# KiCad board kup-lulz.kicad_pcb (continued)
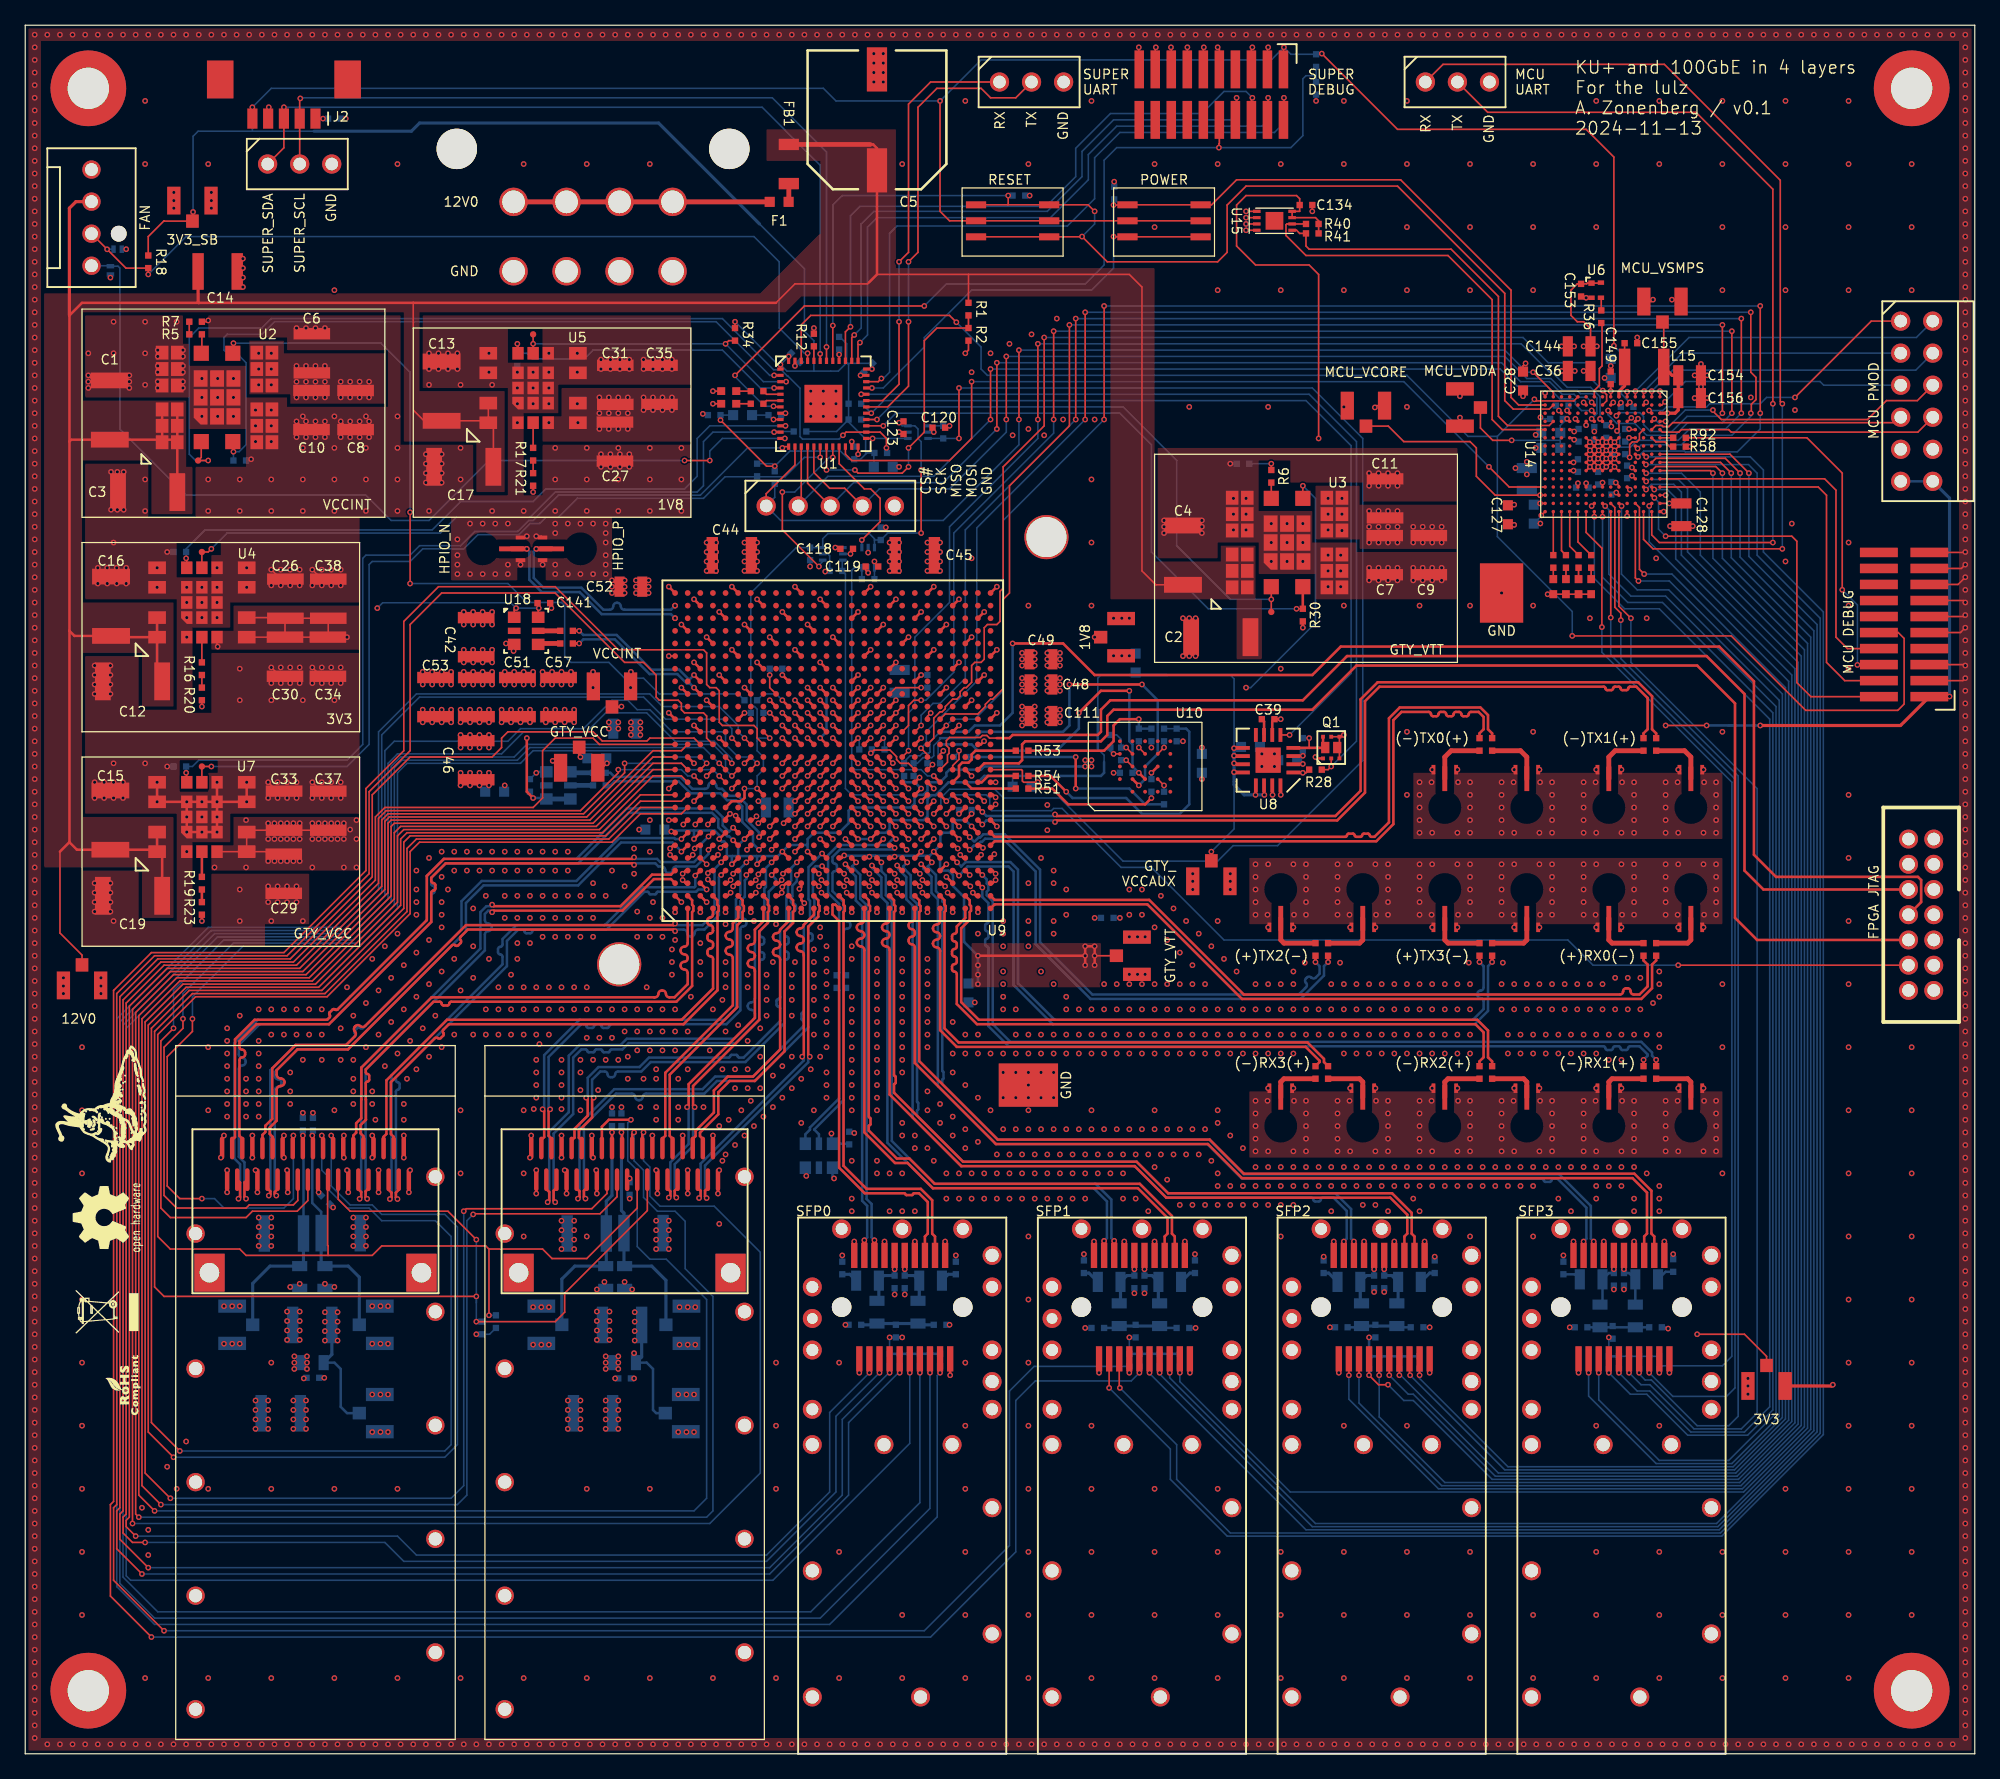
[diagram p0: board, top side]
## Routing (per net, layer and track width the routed paths; a pad name or vN(x,y) marks a point on that pad's centre or on a via; arc(x,y) is an arc through that point) (continued)
132.96,9.5 ; v1(17.55,94) v1(15.2,94) v1(15.2,92.45) ; J8.1 62.38,39.28 J8.1 J8.1 ; v1(37,85.75) v1(37,87.5) v1(34.75,87.5) v1(34.75,86.5) v1(37,86.5) ; 65,73.5 62.75,73.5 ; v1(22.75,84.85) v1(23.5,84.85) ; v1(23.5,84.85) v1(25,84.85) ; v1(23.5,84.85) 23.5,84.75 ; v1(20.75,35.05) v1(21.75,35.05) v1(21.75,32.8) ; v1(20.75,35.05) v1(20.75,32.8) ; v1(20.75,35.05) 20.32,35.47 v1(17,35.47) v1(17,32.5) ; J34.1 93,29.5 v1(92.3,30.2) 92.75,30.65 v1(92.75,33.75) ; v1(22.8,50.8) v1(22,50.8) 21.1,50.8 20.5,50.2 v1(20.5,49) 19.92,49 ; v1(114.5,73) v1(117,73) ; v1(114.5,73) v1(114.5,77) v1(113.55,77) 113.55,77.95 v1(113.5,78) ; 62.75,73.5 v1(63,73.5) U9.N8 63.5,75 v1(64,75.5) v1(61,78.5) v1(60,77.5) 59.5,77 57,77 ; J10.1 J10.1 ; J10.1 131,29.5 v1(130.3,30.2) 130.2,30.3 v1(130.2,33.7) ; J10.1 136.28,29.5 ; J8.1 58.84,8.03 J36.1 J36.1 57.72,35.75 57.72,45.01 J36.1 ; v1(121,73) v1(117,73) ; 57.5,87 v1(58,86.5) ; 57.5,87 U9.A21 v1(51,87) 48.5,87 48,86.5 v1(48,85.75) ; v1(53.5,66.7) 53.5,67.85 53.35,67.85 53.2,68 52.15,68 52.1,68.05 v1(52.1,69.25) v1(52.1,69.75) ; v1(6.25,75.75) v1(7.75,75.75) ; v1(6.25,75.75) 6.25,75.65 ; v1(6.25,75.75) v1(5.5,75.75) ; v1(34.5,77.75) v1(40.5,77.75) ; v1(40.5,77.75) 41,77.75 ; v1(25.75,105.6) v1(27.25,105.6) ; v1(25.75,105.6) v1(25,105.6) ; v1(25.75,105.6) 25.75,105.5 ; v1(62,89.5) U9.M23 ; 32.5,49 v1(30,49) ; 32.5,49 v1(40.1,49) ; 57,77 55.25,77 ; v1(49.75,110.5) 49.75,110.4 ; v1(49.75,110.5) v1(51.25,110.5) ; v1(49.75,110.5) v1(49,110.5) ; v1(46.38,102) 46.38,101.9 ; v1(46.38,102) v1(47.88,102) ; J10.1 133.55,24.5 133.62,24.57 J10.1 ; v1(66,76.5) v1(68,78.5) v1(70,76.5) ; v1(61,71.5) 60.05,70.55 v1(60.05,69.75) 59.95,69.65 v1(59.95,68.25) 59.5,67.8 v1(59.5,66.7) ; v1(117,73) v1(117,77) v1(117.95,77) 118,77.05 v1(118,78) ; v1(19.5,93.85) v1(20.25,93.85) ; v1(20.25,93.85) v1(21.75,93.85) ; v1(20.25,93.85) 20.25,93.75 ; v1(16,44.5) v1(18.4,44.5) ; v1(108,47.75) v1(108,51.75) 107,51.75 v1(107,52.75) ; v1(108,47.75) v1(110.5,47.75) ; v1(6.5,94) v1(8,94) v1(10.45,94) ; v1(6.5,94) 6.5,93.9 ; v1(6.5,94) v1(5.75,94) ; v1(56,87.5) U9.F21 ; v1(20,68.75) v1(21.5,68.75) ; v1(20,68.75) v1(19.25,68.75) ; v1(20,68.75) v1(20,67.5) ; v1(123.7,100.7) 124.14,100.26 v1(124.14,98.89) 123.7,98.45 U14.R15 v1(120.15,98.15) 120.07,98.07 v1(120.07,97.51) ; v1(121,47.75) v1(123.5,47.75) ; v1(48,85.75) v1(45,85.75) 40.35,85.75 v1(38.7,87.4) 38.7,88 ; v1(76,85.5) U9.AE19 U9.E19 v1(55,85.5) 55,84.5 v1(57,82.5) 58,82.5 v1(59,83.5) v1(62,80.5) v1(64,82.5) v1(63,83.5) v1(60,80.5) ; v1(63,91.5) U9.N25 ; v1(62,75.5) v1(64,77.5) ; v1(43.75,111) v1(41.5,111) v1(41.5,107) v1(39,107) ; 83.3,32 84,32.7 v1(84,33.75) ; 83.3,32 J34.1 ; 83.3,32 v1(85.1,30.2) ; U9.L26 v1(61,92.5) 61,92.9 v1(62.2,94.1) ; v1(93.25,96.75) v1(93.25,97.75) ; v1(136.53,29.75) v1(136.53,28.5) ; v1(106.5,94) v1(108.75,94) v1(110,94) v1(112.25,94) ; v1(45.3,35.05) v1(46.3,35.05) ; v1(45.3,35.05) v1(45.3,32.8) ; v1(66,85.5) U9.R19 67.5,85 v1(68,84.5) v1(68,83.5) ; v1(130,47.75) v1(127.5,47.75) ; v1(127.5,47.75) v1(123.5,47.75) ; 72.5,76.33 72.5,76 v1(72,75.5) ; v1(57.9,68.25) 57.5,67.85 v1(57.5,66.7) ; TP13.2 v1(11.77,123.1) ; J10.1 134.68,38.05 151.27,38.05 152.5,39.28 152.5,61.25 J6.3 J6.11 152.75,72 152.75,81.5 153,81.75 153,99.5 ; v1(74.5,111) 72,111 ; 72,111 v1(72,104.75) v1(69.25,104.75) v1(69.25,102) ; 55.25,77 55.5,77 v1(56,76.5) ; v1(46.3,35.05) v1(46.3,32.8) ; v1(55.5,66.7) 55.5,67.4 ; 55.5,67.4 55.4,67.5 v1(54,67.5) ; v1(36.75,77.75) v1(36.75,76.75) v1(34.5,76.75) ; v1(15.2,92.45) v1(17.55,92.45) ; v1(68,83.5) v1(69,82.5) ; 86.9,89.97 v1(86.9,87.03) ; 40.9,35.38 v1(40.9,32.43) ; v1(87.5,61.78) v1(87.5,61) v1(79.5,53) ; J12.1 112,29.5 v1(111.3,30.2) v1(111.3,33.8) ; v1(67,75.5) v1(69,77.5) ; v1(14,107.5) v1(16.5,107.5) ; v1(20,67.5) v1(21.5,67.5) ; v1(20,67.5) 20,67.4 ; v1(126.7,36.8) v1(125.9,36.8) 125.1,37.6 v1(125.1,40.6) 125.5,40.6 J10.1 v1(127.5,40.6) ; v1(72.5,93.75) v1(72.5,96) ; v1(110.5,47.75) v1(114.5,47.75) ; v1(68,72.5) v1(68,73.5) ; v1(72,72.5) v1(72,73.5) ; v1(8,119.25) 8,118.25 v1(6.75,117) 7,116.75 v1(7,113.5) ; v1(100,97.5) v1(100,94.5) ; v1(57,89.5) U9.G23 ; v1(67,87.5) U9.T21 ; J34.1 92.3,40.6 v1(91.9,40.6) 92.7,39.8 v1(92.7,39.6) ; J34.1 95.4,39.5 ; 136.55,29.15 139.5,29.15 ; v1(106.5,101.5) v1(108.75,101.5)
  In1.Cu w0.2: v1(103.25,92.5) 101.25,90.5 v1(101.25,89.25) ; 51.3,109.05 J1.8 ; J1.8 J1.5 ; J1.8 64.75,117.5 ; v1(40.5,44.4) v1(42.9,44.4) 42.98,44.47 45.22,44.47 v1(45.3,44.4) 45.7,44.8 49.7,44.8 v1(50.1,44.4) 50.3,44.6 52.3,44.6 v1(52.5,44.4) 52.7,44.6 54.7,44.6 v1(54.9,44.4) 57,46.5 57,48 56,49 v1(54.5,49) v1(52.1,49) v1(49.7,49) 49.7,48.4 49.1,47.8 45.5,47.8 44.9,48.4 v1(44.9,49) ; v1(136.53,29.75) 136.28,29.5 ; 52.1,68.05 52,67.95 v1(52,67.5) 52,67.2 v1(51.5,66.7) ; 24.5,48.4 24.65,48.4 v1(25.25,49) ; 24.5,48.4 27.5,48.4 ; 24.5,48.4 21.1,48.4 v1(20.5,49) ; v1(18,49) 19.92,49 ; v1(44.9,49) 44.9,49.65 v1(46.5,51.25) v1(47.25,51.25) ; v1(44.9,49) v1(42.5,49) v1(40.1,49) ; v1(65.7,49.2) 64.7,49.2 61.9,46.4 v1(61.9,45.8) 61.9,44.4 ; 27.5,48.4 29.4,48.4 v1(30,49) ; 27.5,48.4 v1(27.5,49) ; v1(14,66) 12.75,67.25 12.75,70.75 ; v1(54.1,69.3) 54.1,69.6 ; 51.3,93.7 51.3,104.55 ; 153,99.5 153,101.56 J38.11 ; v1(54,67.5) 53.5,67.5
  In1.Cu w0.25: v1(53,25.5) v1(51.75,25.5) ; J36.1 53.47,35.03 v1(53.1,35.4) v1(51.85,35.4) ; v1(28.75,32.5) v1(27.5,32.5) ; v1(53.1,32.43) v1(51.85,32.43) ; v1(27.5,28.47) v1(28.75,28.47) ; v1(27.5,35.47) v1(28.75,35.47) ; v1(17,32.5) v1(15.75,32.5) ; v1(28.75,25.5) v1(27.5,25.5) ; v1(51.75,28.47) v1(53,28.47) ; v1(15.75,35.47) v1(17,35.47)
  Bottom w0.125: 119.86,104.7 v1(119.7,104.54) ; v1(65.5,104) 65.7,103.8 C18.2 ; C22.2 v1(102.3,131) ; R3.1 v1(79.6,123.5) ; R78.1 v1(64.75,39.5) ; D3.1 v1(8,119.25) ; C121.2 v1(62.2,94.1) ; R32.2 v1(11.25,78.25) ; v1(53.7,106.2) 53.8,106.1 C20.2 ; C59.2 v1(93.25,77.25) ; C21.2 v1(69.25,102) ; U13.5 v1(69.25,104.75) ; v1(120.07,97.51) 120.06,97.5 C32.2 120.15,98.1 v1(120.15,98.15) ; C92.2 v1(47.9,44) ; R97.1 v1(71,85.5) ; v1(17.9,102.6) 17.8,102.5 R27.2 ; C89.2 v1(24.4,43.3) ; R95.1 v1(57,82.5) ; D4.1 v1(6.75,117) ; R39.2 v1(25.4,129.6) ; C133.2 120.21,105.8 v1(120.09,105.92) ; 58.6,75 v1(58.1,75.5) ; C122.2 v1(68.2,97.2) ; C72.2 v1(87.9,36.5) ; U11.2 v1(65.4,95.1) ; C124.2 v1(119,101.4) ; C124.2 v1(119,102.4) ; C124.2 v1(118.1,101.9) ; R35.2 v1(39,109.5) ; C90.2 v1(22.8,50.8) ; C131.2 v1(125.3,103.95) ; R25.2 v1(11.25,95.25) ; U12.2 v1(66.8,93.6) ; U13.2 v1(72,104.75) ; R8.1 v1(95.5,102.25) ; C91.2 v1(22,50.8) ; C81.2 v1(23.7,29.8) ; v1(66,80.5) 66.1,80.4 J5.3 ; C82.2 v1(48.25,29.75) ; R77.1 v1(73.75,39.5) ; R4.1 v1(86.3,124.6) ; 61.3,110.3 v1(61,110) ; C71.2 v1(88.7,36.5) ; C136.2 v1(40.5,77.75) ; R96.1 v1(60,85.5)
  Bottom w0.2: U17.3 40.58,77.83 v1(40.5,77.75) ; C61.2 v1(103.4,33.8) ; C112.2 v1(122.4,33.8) ; R85.1 v1(130.6,39.6) ; C94.2 v1(46.5,51.25) ; C67.2 v1(84,33.75) ; 121.9,39.1 v1(121.9,39.5) ; C68.2 v1(92.75,33.75) ; C62.2 v1(111.3,33.8) ; v1(65.7,49.2) 65.6,49.3 C135.2 ; C93.2 v1(47.25,51.25) ; C158.2 v1(75.25,59.55) ; C113.2 130.1,33.8 v1(130.2,33.7) ; v1(61.9,45.8) 61.9,46.38
  Bottom w0.25: C65.2 v1(107.7,36.6) ; C117.2 v1(125.9,36.8) ; R63.1 v1(111.7,39.4) ; C77.2 v1(69.7,36.4) ; C73.2 v1(65,34) ; C116.2 v1(126.7,36.8) ; R64.1 v1(102.9,39.4) ; C74.2 v1(73.25,34) ; C78.2 v1(68.9,36.4) ; R70.1 v1(92.7,39.6) ; C66.2 v1(106.9,36.6) ; R71.1 v1(83.9,39.6)
  vias: v1(0.75,136.25) v1(0.75,135.25) v1(0.75,134.25) v1(0.75,133.25) v1(0.75,132.25) v1(0.75,131.25) v1(0.75,130.25) v1(0.75,129.25) v1(0.75,128.25) v1(0.75,127.25) v1(0.75,126.25) v1(0.75,125.25) v1(0.75,124.25) v1(0.75,123.25) v1(0.75,122.25) v1(0.75,121.25) v1(0.75,120.25) v1(0.75,119.25) v1(0.75,118.25) v1(0.75,117.25) v1(0.75,116.25) v1(0.75,115.25) v1(0.75,114.25) v1(0.75,113.25) v1(0.75,112.25) v1(0.75,111.25) v1(0.75,110.25) v1(0.75,109.25) v1(0.75,108.25) v1(0.75,107.25) v1(0.75,106.25) v1(0.75,105.25) v1(0.75,104.25) v1(0.75,103.25) v1(0.75,102.25) v1(0.75,101.25) v1(0.75,100.25) v1(0.75,99.25) v1(0.75,98.25) v1(0.75,97.25) v1(0.75,96.25) v1(0.75,95.25) v1(0.75,94.25) v1(0.75,93.25) v1(0.75,92.25) v1(0.75,91.25) v1(0.75,90.25) v1(0.75,89.25) v1(0.75,88.25) v1(0.75,87.25) v1(0.75,86.25) v1(0.75,85.25) v1(0.75,84.25) v1(0.75,83.25) v1(0.75,82.25) v1(0.75,81.25) v1(0.75,80.25) v1(0.75,79.25) v1(0.75,78.25) v1(0.75,77.25) v1(0.75,76.25) v1(0.75,75.25) v1(0.75,74.25) v1(0.75,73.25) v1(0.75,72.25) v1(0.75,71.25) v1(0.75,70.25) v1(0.75,69.25) v1(0.75,68.25) v1(0.75,67.25) v1(0.75,66.25) v1(0.75,65.25) v1(0.75,64.25) v1(0.75,63.25) v1(0.75,62.25) v1(0.75,61.25) v1(0.75,60.25) v1(0.75,59.25) v1(0.75,58.25) v1(0.75,57.25) v1(0.75,56.25) v1(0.75,55.25) v1(0.75,54.25) v1(0.75,53.25) v1(0.75,52.25) v1(0.75,51.25) v1(0.75,50.25) v1(0.75,49.25) v1(0.75,48.25) v1(0.75,47.25) v1(0.75,46.25) v1(0.75,45.25) v1(0.75,44.25) v1(0.75,43.25) v1(0.75,42.25) v1(0.75,41.25) v1(0.75,40.25) v1(0.75,39.25) v1(0.75,38.25) v1(0.75,37.25) v1(0.75,36.25) v1(0.75,35.25) v1(0.75,34.25) v1(0.75,33.25) v1(0.75,32.25) v1(0.75,31.25) v1(0.75,30.25) v1(0.75,29.25) v1(0.75,28.25) v1(0.75,27.25) v1(0.75,26.25) v1(0.75,25.25) v1(0.75,24.25) v1(0.75,23.25) v1(0.75,22.25) v1(0.75,21.25) v1(0.75,20.25) v1(0.75,19.25) v1(0.75,18.25) v1(0.75,17.25) v1(0.75,16.25) v1(0.75,15.25) v1(0.75,14.25) v1(0.75,13.25) v1(0.75,12.25) v1(0.75,11.25) v1(0.75,10.25) v1(0.75,9.25) v1(0.75,8.25) v1(0.75,7.25) v1(0.75,6.25) v1(0.75,5.25) v1(0.75,4.25) v1(0.75,3.25) v1(0.75,2.25) v1(0.75,1.25) v1(1.75,136.25) v1(1.75,0.75) v1(2.75,136.25) v1(2.75,0.75) v1(3.02,60.85) v1(3.02,60.25) v1(3.75,136.25) v1(3.75,0.75) v1(4.5,56) v1(4.5,51) v1(4.5,46) v1(4.5,41) v1(4.5,36) v1(4.5,31) v1(4.5,26) v1(4.5,21) v1(4.5,16) v1(4.5,11) v1(4.75,136.25) v1(4.75,0.75) v1(5,111) v1(5,108.25) v1(5.5,84.75) v1(5.5,67.5) v1(5.75,136.25) v1(5.75,0.75) v1(6,61.5) v1(6,60.85) v1(6,60.25) v1(6.75,136.25) v1(6.75,84.75) v1(6.75,67.5) v1(6.75,0.75) v1(6.8,101.6) v1(6.8,98.6) v1(7,111) v1(7,96) v1(7,78.5) v1(7,77) v1(7,75.75) v1(7,66) v1(7.25,92.75) v1(7.3,101.6) v1(7.3,98.6) v1(7.25,94) v1(7.75,136.25) v1(7.75,0.75) v1(8.25,109.25) v1(8.25,108.25) v1(8.75,136.25) v1(8.75,0.75) v1(9.25,19.5) v1(9.5,131) v1(9.5,126) v1(9.5,113.5) v1(9.5,111) v1(9.5,108.5) v1(9.5,101) v1(9.5,98.5) v1(9.5,78.5) v1(9.5,6) v1(9.75,136.25) v1(9.75,17.75) v1(9.75,15.75) v1(9.75,0.75) v1(10.5,110.75) v1(10.5,110) v1(10.5,109.5) v1(10.75,136.25) v1(10.75,0.75) v1(11.25,22.75) v1(11.75,136.25) v1(11.75,0.75) v1(11.77,122.5) v1(12,113.5) v1(12,21) v1(12.5,110.75) v1(12.5,110) v1(12.5,109.5) v1(12.75,24.75) v1(12.75,136.25) v1(12.75,0.75) v1(13.75,136.25) v1(13.75,0.75) v1(14.5,126) v1(14.5,101) v1(14.5,98.5) v1(14.5,56) v1(14.5,51) v1(14.5,21) v1(14.5,6) v1(14.75,136.25) v1(14.75,123.1) v1(14.75,0.75) v1(15.25,109) v1(15.25,107.5) v1(15.25,106) v1(15.5,47.25) v1(15.75,136.25) v1(15.75,0.75) v1(16,57.5) v1(16,56.5) v1(16,55.5) v1(16,54.5) v1(16,53.5) v1(16,52.5) v1(16,51.5) v1(16,50.5) v1(16,46.25) v1(16.4,35.47) v1(16.4,32.5) v1(16.75,136.25) v1(16.75,0.75) v1(17,101) v1(17,98.5) v1(17,86) v1(17,83.5) v1(17,68.5) v1(17,66) v1(17,58.5) v1(17.25,117.75) v1(17.25,117) v1(17.5,53.5) v1(17.5,52.5) v1(17.5,51.5) v1(17.5,50.5) v1(17.75,136.25) v1(17.75,0.75) v1(18,47.25) v1(18.25,27.25) v1(18.25,105.25) v1(18.25,46.25) v1(18.5,59) v1(18.5,56.5) v1(18.5,55.5) v1(18.5,54.5) v1(18.5,53.5) v1(18.5,52.5) v1(18.5,51.5) v1(18.5,50.5) v1(18.5,41.75) v1(18.75,136.25) v1(18.75,0.75) v1(19.25,27.25) v1(19.5,105.25) v1(19.5,101) v1(19.5,98.5) v1(19.5,83.5) v1(19.5,66) v1(19.5,59) v1(19.5,57) v1(19.5,41.75) v1(19.5,31) v1(19.5,21) v1(19.5,6) v1(19.75,136.25) v1(19.75,0.75) v1(20.5,59) v1(20.5,57) v1(20.5,47.25) v1(20.75,136.25) v1(20.75,77) v1(20.75,75.75) v1(20.75,68.75) v1(20.75,67.5) v1(20.75,46.25) v1(20.75,34.3) v1(20.75,33.55) v1(20.75,0.75) v1(21,93.85) v1(21,92.6) v1(21,86.1) v1(21,84.85) v1(21,54) v1(21,52.5) v1(21,51.5) v1(21.5,59) v1(21.5,57) v1(21.75,34.3) v1(21.75,33.55) v1(21.75,136.25) v1(21.75,0.75) v1(22,106) v1(22,103.5) v1(22,101) v1(22,98.5) v1(22,83.5) v1(22,66) v1(22,55) v1(22.25,113) v1(22.5,59) v1(22.5,57) v1(22.75,136.25) v1(22.75,0.75) v1(23,113) v1(23,105.6) v1(23,104.35) v1(23.5,59) v1(23.5,57) v1(23.5,55) v1(23.75,136.25) v1(23.75,0.75) v1(24.25,92.6) v1(24.25,84.85) v1(24.25,75.75) v1(24.25,93.85) v1(24.25,86.1) v1(24.25,77) v1(24.5,116) v1(24.5,106) v1(24.5,103.5) v1(24.5,101) v1(24.5,98.5) v1(24.5,83.5) v1(24.5,51) v1(24.5,21) v1(24.5,6) v1(24.75,136.25) v1(24.75,0.75) v1(25,57.5) v1(25,55) v1(25.25,47.25) v1(25.5,60.75) v1(25.5,46.25) v1(25.75,136.25) v1(25.75,0.75) v1(26,58.5) v1(26,55) v1(26,53.5) v1(26,52.5) v1(26,51.5) v1(26,41.75) v1(26,41) v1(26.5,105.6) v1(26.5,104.35) v1(26.75,136.25) v1(26.75,0.75) v1(27,106) v1(27,103.5) v1(27,101) v1(27,98.5) v1(27,59.5) v1(27,56) v1(27,41.75) v1(27,41) v1(27.5,63) v1(27.5,52.5) v1(27.5,51.5) v1(27.5,47.25) v1(27.75,136.25) v1(27.75,50.25) v1(27.75,0.75) v1(28,60.5) v1(28,57) v1(28,46.25) v1(28.15,35.47) v1(28.15,32.5) v1(28.15,28.47) v1(28.15,25.5) v1(28.5,64) v1(28.5,54.5) v1(28.75,136.25) v1(28.75,0.75) v1(29,61.5) v1(29,58) v1(29.5,126) v1(29.5,106) v1(29.5,103.5) v1(29.5,101) v1(29.5,98.5) v1(29.5,65) v1(29.5,55.5) v1(29.5,21) v1(29.5,6) v1(29.75,136.25) v1(29.75,0.75) v1(30,62.5) v1(30,59) v1(30,51.5) v1(30,50.25) v1(30,47.25) v1(30.25,53.5) v1(30.5,56.5) v1(30.5,46.25) v1(30.75,136.25) v1(30.75,0.75) v1(31,70) v1(31,68.5) v1(31,67.5) v1(31,66.5) v1(31,63.5) v1(31,60) v1(31,54.25) v1(31.5,57.5) v1(31.75,136.25) v1(31.75,0.75) v1(31.75,102.25) v1(31.75,101.5) v1(32,108.5) v1(32,98.5) v1(32,71) v1(32,64.5) v1(32,61) v1(32,55.25) v1(32.25,85.75) v1(32.25,84.75) v1(32.5,58.5) v1(32.75,136.25) v1(32.75,111) v1(32.75,109.75) v1(32.75,0.75) v1(33,102.25) v1(33,101.5) v1(33,85.75) v1(33,84.75) v1(33,71.5) v1(33,69.5) v1(33,67.5) v1(33,66.5) v1(33,65.5) v1(33,62) v1(33,56) v1(33.5,111) v1(33.5,109.75) v1(33.5,68.5) v1(33.75,136.25) v1(33.75,84.75) v1(33.75,0.75) v1(34,71.5) v1(34,70) v1(34,63) v1(34,57) v1(34.25,111) v1(34.25,109.75) v1(34.25,96.25) v1(34.25,95) v1(34.25,94.25) v1(34.25,93.5) v1(34.5,108.5) v1(34.5,103.5) v1(34.5,101) v1(34.5,60.5) v1(34.5,51) v1(34.5,46) v1(34.5,6) v1(34.75,136.25) v1(34.75,0.75) v1(35,71.5) v1(35,70) v1(35.25,97.5) v1(35.25,93.5) v1(35.25,77.75) v1(35.25,76.75) v1(35.5,87.5) v1(35.5,86.5) v1(35.5,85.75) v1(35.5,84.75) v1(35.5,67) v1(35.5,64) v1(35.5,61.5) v1(35.5,57) v1(35.75,136.25) v1(35.75,0.75) v1(36,77.75) v1(36,76.75) v1(36,71.5) v1(36,70) v1(36.25,86.5) v1(36.25,84.75) v1(36.25,97.5) v1(36.25,93.5) v1(36.25,87.5) v1(36.25,85.75) v1(36.5,68) v1(36.5,59) v1(36.5,57) v1(36.75,136.25) v1(36.75,63) v1(36.75,0.75) v1(37,108.5) v1(37,98.5) v1(37,84.75) v1(37,71.5) v1(37,70) v1(37.25,97.5) v1(37.25,93.5) v1(37.5,60.75) v1(37.5,59) v1(37.5,57) v1(37.75,136.25) v1(37.75,0.75) v1(38,71.5) v1(38,70) v1(38,68) v1(38,66.25) v1(38.25,97.5) v1(38.25,94.25) v1(38.25,93.5) v1(38.5,61.75) v1(38.5,60.75) v1(38.5,59) v1(38.5,57) v1(38.75,136.25) v1(38.75,84.75) v1(38.75,0.75) v1(38.75,85.75) v1(39,108.25) v1(39,71.5) v1(39,70) v1(39,68) v1(39,66.25) v1(39,64.25) v1(39,63) v1(39.5,126) v1(39.5,98.5) v1(39.5,85.75) v1(39.5,84.75) v1(39.5,60.75) v1(39.5,59) v1(39.5,57) v1(39.5,51) v1(39.5,46) v1(39.5,41) v1(39.5,6) v1(39.75,136.25) v1(39.75,0.75) v1(40,71.5) v1(40,70) v1(40,68) v1(40,66.25) v1(40,64.25) v1(40,47.25) v1(40.25,108.25) v1(40.25,84.75) v1(40.3,51.1) v1(40.25,32.43) v1(40.5,60.75) v1(40.5,59) v1(40.5,57) v1(40.5,55) v1(40.5,54) v1(40.5,53) v1(40.5,52) v1(40.5,46.25) v1(40.75,136.25) v1(40.75,56.25) v1(40.75,0.75) v1(40.9,35.4) v1(41,85.75) v1(41,84.75) v1(41,71.5) v1(41,70) v1(41,68) v1(41,66.25) v1(41,64.75) v1(41.5,109.5) v1(41.5,108.25) v1(41.5,60.75) v1(41.5,59) v1(41.5,57) v1(41.5,32.43) v1(41.75,136.25) v1(41.75,84.75) v1(41.75,0.75) v1(41.75,85.75) v1(42,103.5) v1(42,101) v1(42,98.5) v1(42,97.5) v1(42,96.75) v1(42,94.25) v1(42,93.5) v1(42,71.5) v1(42,70) v1(42,68) v1(42,66.25) v1(42,64.75) v1(42.5,85.75) v1(42.5,84.75) v1(42.5,60.75) v1(42.5,59) v1(42.5,55) v1(42.5,54) v1(42.5,53) v1(42.5,52) v1(42.5,51.1) v1(42.5,47.25) v1(42.5,41.5) v1(42.75,136.25) v1(42.75,46.25) v1(42.75,0.75) v1(43,97.5) v1(43,93.5) v1(43,71.5) v1(43,70) v1(43,68) v1(43,66.25) v1(43,64.75) v1(43,27.25) v1(43.25,85.75) v1(43.5,60.75) v1(43.5,59) v1(43.5,41.5) v1(43.75,136.25) v1(43.75,0.75) v1(44,97.5) v1(44,93.5) v1(44,68) v1(44,66.25) v1(44,64.75) v1(44,55) v1(44,54) v1(44,52.6) v1(44,51) v1(44,27.25) v1(44.5,126) v1(44.5,103.5) v1(44.5,101) v1(44.5,98.5) v1(44.5,60.75) v1(44.5,59) v1(44.5,56.75) v1(44.5,41) v1(44.5,21) v1(44.5,6) v1(44.75,136.25) v1(44.75,0.75) v1(45,97.5) v1(45,93.5) v1(45,69) v1(45,68) v1(45,66.25) v1(45,64.75) v1(45,55) v1(45,47.25) v1(45.25,46.25) v1(45.3,34.3) v1(45.3,33.55) v1(45.4,52.6) v1(45.5,59) v1(45.5,56.75) v1(45.75,136.25) v1(45.75,0.75) v1(46,97.5) v1(46,96.75) v1(46,96) v1(46,95) v1(46,94.25) v1(46,93.5) v1(46,68) v1(46,55) v1(46.3,34.3) v1(46.3,33.55) v1(46.5,70) v1(46.5,59) v1(46.5,56.75) v1(46.75,136.25) v1(46.75,0.75) v1(47,103.5) v1(47,101) v1(47,98.5) v1(47,55) v1(47.12,110.5) v1(47.12,109.75) v1(47.12,103) v1(47.12,102) v1(47.5,92.5) v1(47.5,68.75) v1(47.5,59) v1(47.5,57.25) v1(47.75,136.25) v1(47.75,55.25) v1(47.75,53.5) v1(47.75,0.75) v1(48.25,71.75) v1(48.25,69.75) v1(48.5,66.75) v1(48.5,64.75) v1(48.5,59) v1(48.5,57.25) v1(48.5,55.75) v1(48.75,136.25) v1(48.65,73.25) v1(48.75,51.25) v1(48.75,0.75) v1(49,53.5) v1(49.25,60.75) v1(49.5,126) v1(49.5,103.5) v1(49.5,101) v1(49.5,98.5) v1(49.5,74) v1(49.5,71.5) v1(49.5,66.25) v1(49.5,64.75) v1(49.5,59) v1(49.5,57.25) v1(49.5,55.75) v1(49.5,21) v1(49.5,6) v1(49.75,136.25) v1(49.75,67.5) v1(49.75,0.75) v1(50,54.25) v1(50,53.5) v1(50,51.25) v1(50,50.25) v1(50,46.25) v1(50,41.5) v1(50.5,110.5) v1(50.5,109.75) v1(50.5,66.25) v1(50.5,64.75) v1(50.5,59) v1(50.5,57.25) v1(50.5,55.75) v1(50.75,136.25) v1(50.75,0.75) v1(51,41.5) v1(51.25,63.75) v1(51.25,62.75) v1(51.25,61.75) v1(51.5,64.5) v1(51.5,59) v1(51.5,57.25) v1(51.5,55.75) v1(51.75,136.25) v1(51.75,53.5) v1(51.75,51.25) v1(51.75,50.25) v1(51.75,0.75) v1(52,103.5) v1(52,101) v1(52,98.5) v1(52.4,28.47) v1(52.4,25.5) v1(52.5,57.25) v1(52.5,54.25) v1(52.5,46.25) v1(52.5,35.4) v1(52.5,32.43) v1(52.75,136.25) v1(52.75,60) v1(52.75,0.75) v1(53.5,64.25) v1(53.5,62.75) v1(53.5,61.75) v1(53.75,51.25) v1(53.75,136.25) v1(53.75,0.75) v1(54.25,55.75) v1(54.5,59) v1(54.5,6) v1(54.75,136.25) v1(54.75,0.75) v1(55,49.75) v1(55,46.25) v1(55,42) v1(55.25,59.75) v1(55.25,54.25) v1(55.25,47) v1(55.5,65.75) v1(55.5,62.75) v1(55.5,61.75) v1(55.5,60.75) v1(55.5,57.25) v1(55.5,47.5) v1(55.75,136.25) v1(55.75,50.25) v1(55.75,0.75) v1(56.25,54.25) v1(56.25,52.75) v1(56.25,48.25) v1(56.5,57.75) v1(56.75,136.25) v1(56.75,51) v1(56.75,0.75) v1(57,95.25) v1(57,94.5) v1(57,49) v1(57.25,64.75) v1(57.25,61.75) v1(57.25,60.75) v1(57.25,56.5) v1(57.25,54.25) v1(57.25,52.75) v1(57.5,51.75) v1(57.75,136.25) v1(57.75,66) v1(57.75,49.75) v1(57.75,0.75) v1(58,95.25) v1(58,94.5) v1(58.25,57.5) v1(58.25,55.25) v1(58.25,52.75) v1(58.5,50.5) v1(58.75,61.75) v1(58.75,60.75) v1(58.75,59.75) v1(58.75,58.5) v1(58.75,136.25) v1(58.75,0.75) v1(59.25,62.75) v1(59.25,53.75) v1(59.25,51.25) v1(59.5,65.75) v1(59.5,31) v1(59.5,26) v1(59.5,21) v1(59.5,6) v1(59.75,136.25) v1(59.75,0.75) v1(60,54.5) v1(60,52) v1(60.75,136.25) v1(60.75,61.75) v1(60.75,60.75) v1(60.75,59.75) v1(60.75,58.5) v1(60.75,55.25) v1(60.75,52.75) v1(60.75,0.75) v1(61,62.75) v1(61.5,53.5) v1(61.5,50) v1(61.75,136.25) v1(61.75,0.75) v1(62.25,107) v1(62.25,54.25) v1(62.5,63.75) v1(62.5,62.75) v1(62.5,61.75) v1(62.5,60.75) v1(62.5,59.75) v1(62.5,58.5) v1(62.5,57) v1(62.5,51) v1(62.75,136.25) v1(62.75,0.75) v1(63,65.5) v1(63,64.75) v1(63,55.25) v1(63.25,108) v1(63.25,107) v1(63.25,106) v1(63.5,64) v1(63.5,63) v1(63.5,62) v1(63.5,61) v1(63.5,60) v1(63.5,59) v1(63.5,58) v1(63.5,57) v1(63.5,56) v1(63.5,54) v1(63.5,53) v1(63.5,52) v1(63.75,136.25) v1(63.75,0.75) v1(64.25,107) v1(64.5,31) v1(64.5,16) v1(64.5,6) v1(64.75,136.25) v1(64.75,0.75) v1(65.5,64) v1(65.5,63) v1(65.5,60) v1(65.5,59) v1(65.5,58) v1(65.5,57) v1(65.5,56) v1(65.5,55) v1(65.5,54) v1(65.5,53) v1(65.5,52) v1(65.5,51) v1(65.5,47) v1(65.5,44) v1(65.5,43) v1(65.75,136.25) v1(65.75,0.75) v1(66.75,136.25) v1(66.75,0.75) v1(67.25,134) v1(67.5,63) v1(67.5,62) v1(67.5,61) v1(67.5,60) v1(67.5,59) v1(67.5,58) v1(67.5,57) v1(67.5,56) v1(67.5,55) v1(67.5,54) v1(67.5,53) v1(67.5,52) v1(67.5,51) v1(67.5,47) v1(67.5,46) v1(67.75,136.25) v1(67.75,0.75) v1(68,134) v1(68.5,46) v1(68.5,43) v1(68.75,136.25) v1(68.75,0.75) v1(69.5,126) v1(69.5,63) v1(69.5,62) v1(69.5,61) v1(69.5,60) v1(69.5,59) v1(69.5,58) v1(69.5,57) v1(69.5,56) v1(69.5,55) v1(69.5,54) v1(69.5,50) v1(69.5,49) v1(69.5,46) v1(69.5,43) v1(69.5,11) v1(69.5,6) v1(69.75,136.25) v1(69.75,0.75) v1(70.5,49) v1(70.5,48) v1(70.5,43) v1(70.75,136.25) v1(70.75,0.75) v1(71.5,95.25) v1(71.5,94.5) v1(71.5,63) v1(71.5,62) v1(71.5,61) v1(71.5,60) v1(71.5,59) v1(71.5,58) v1(71.5,57) v1(71.5,56) v1(71.5,52.5) v1(71.5,51) v1(71.5,48) v1(71.75,136.25) v1(71.75,0.75) v1(72,47) v1(72.5,95.25) v1(72.5,94.5) v1(72.5,51.5) v1(72.5,50) v1(72.75,136.25) v1(72.75,0.75) v1(73,46) v1(73,44) v1(73.5,55.5) v1(73.5,54) v1(73.5,50.5) v1(73.5,49) v1(73.75,136.25) v1(73.75,0.75) v1(74,46) v1(74,44) v1(74.5,131) v1(74.5,57) v1(74.5,55.5) v1(74.5,53) v1(74.5,49.5) v1(74.5,48) v1(74.5,31) v1(74.5,26) v1(74.5,21) v1(74.5,16) v1(74.5,11) v1(74.5,6) v1(74.75,136.25) v1(74.75,0.75) v1(75,109.5) v1(75,94.75) v1(75,46) v1(75,44) v1(75.5,65) v1(75.5,57) v1(75.5,55.5) v1(75.5,52) v1(75.5,48.5) v1(75.75,136.25) v1(75.75,0.75) v1(76,46) v1(76,44) v1(76.5,111) v1(76.5,55.5) v1(76.5,51) v1(76.75,136.25) v1(76.75,0.75) v1(77,47.5) v1(77,46) v1(77,44) v1(77.5,66) v1(77.5,65) v1(77.5,64) v1(77.5,62) v1(77.5,61) v1(77.5,60) v1(77.5,59) v1(77.5,55.5) v1(77.5,54) v1(77.5,52) v1(77.5,49.5) v1(77.75,136.25) v1(77.75,0.75) v1(78,111.75) v1(78,47.5) v1(78,46) v1(78,44) v1(78.25,104.5) v1(78.5,59) v1(78.5,57) v1(78.5,55.5) v1(78.5,54) v1(78.5,52) v1(78.5,49.5) v1(78.75,136.25) v1(78.75,0.75) v1(79,47.5) v1(79,46) v1(79,44) v1(79.5,126) v1(79.5,105) v1(79.5,91) v1(79.5,69) v1(79.5,66) v1(79.5,65) v1(79.5,64) v1(79.5,57) v1(79.5,55.5) v1(79.5,54) v1(79.5,52) v1(79.5,51) v1(79.5,49.5) v1(79.5,41) v1(79.5,36) v1(79.5,31) v1(79.5,26) v1(79.5,21) v1(79.5,16) v1(79.5,11) v1(79.5,6) v1(79.75,136.25) v1(79.75,112.5) v1(79.75,0.75) v1(80,47.5) v1(80,46) v1(80,44) v1(80.5,71) v1(80.5,62) v1(80.5,57) v1(80.5,55.5) v1(80.5,54) v1(80.5,52) v1(80.5,49.5) v1(80.75,136.25) v1(80.75,104.5) v1(80.75,0.75) v1(81,86.75) v1(81,86.25) v1(81,84.75) v1(81,82.75) v1(81,82.25) v1(81,75.2) v1(81,73.2) v1(81,47.5) v1(81,46) v1(81,44) v1(81.5,70) v1(81.5,69) v1(81.5,66) v1(81.5,65) v1(81.5,61) v1(81.5,57) v1(81.5,55.5) v1(81.5,54) v1(81.5,52) v1(81.5,49.5) v1(81.75,136.25) v1(81.75,113.75) v1(81.75,0.75) v1(82,47.5) v1(82,46) v1(82,44) v1(82.25,105.75) v1(82.5,68.5) v1(82.5,66.5) v1(82.5,60) v1(82.5,59) v1(82.5,57) v1(82.5,55.5) v1(82.5,49.5) v1(82.75,136.25) v1(82.75,0.75) v1(83,47.5) v1(83,46) v1(83,44) v1(83.5,59) v1(83.5,57) v1(83.5,55.5) v1(83.5,49.5) v1(83.75,136.25) v1(83.75,0.75) v1(84,47.5) v1(84,46) v1(84,44) v1(84.5,131) v1(84.5,101) v1(84.5,96) v1(84.5,91) v1(84.5,59) v1(84.5,57) v1(84.5,55.5) v1(84.5,51) v1(84.5,49.5) v1(84.5,26) v1(84.5,21) v1(84.5,16) v1(84.5,11) v1(84.5,6) v1(84.75,136.25) v1(84.75,105.75) v1(84.75,0.75) v1(85,47.5) v1(85,46) v1(85.5,61) v1(85.5,59) v1(85.5,57) v1(85.5,55.5) v1(85.5,49.5) v1(85.75,136.25) v1(85.75,0.75) v1(86,47.5) v1(86,46) v1(86.5,61) v1(86.5,59) v1(86.5,57) v1(86.5,55.5) v1(86.5,49.5) v1(86.75,136.25) v1(86.75,0.75) v1(86.9,90) v1(87,47.5) v1(87,46) v1(87,44) v1(87.5,90) v1(87.5,87.03) v1(87.5,68.5) v1(87.5,66.5) v1(87.5,59) v1(87.5,57) v1(87.5,55.5) v1(87.5,49.5) v1(87.75,136.25) v1(87.75,0.75) v1(88,47.5) v1(88,44) v1(88.15,64.75) v1(88.5,68.5) v1(88.5,66.5) v1(88.5,61) v1(88.5,59) v1(88.5,57) v1(88.5,55.5) v1(88.5,49.5) v1(88.75,136.25) v1(88.75,61.78) v1(88.75,0.75) v1(89,47.5) v1(89,43) v1(89.5,126) v1(89.5,121) v1(89.5,65.5) v1(89.5,61) v1(89.5,59) v1(89.5,57) v1(89.5,55.5) v1(89.5,51) v1(89.5,49.5) v1(89.5,46.5) v1(89.5,21) v1(89.5,16) v1(89.5,11) v1(89.5,6) v1(89.75,136.25) v1(89.75,0.75) v1(90,68) v1(90,47.5) v1(90.25,97.25) v1(90.5,64.5) v1(90.5,61) v1(90.5,59) v1(90.5,57) v1(90.5,55.5) v1(90.5,49.5) v1(90.5,45.5) v1(90.75,136.25) v1(90.75,0.75) v1(91,67) v1(91,47.5) v1(91.5,63.5) v1(91.5,61) v1(91.5,59) v1(91.5,57) v1(91.5,55.5) v1(91.5,49.5) v1(91.5,43.5) v1(91.75,136.25) v1(91.75,0.75) v1(91.75,90) v1(91.75,87) v1(92,66) v1(92,47.5) v1(92.25,106.75) v1(92.25,90) v1(92.25,87) v1(92.53,69.15) v1(92.53,68.5) v1(92.5,62.5) v1(92.5,61) v1(92.5,59) v1(92.5,57) v1(92.5,55.5) v1(92.5,49.5) v1(92.5,43.5) v1(92.75,136.25) v1(92.75,0.75) v1(93,65) v1(93,47.5) v1(93.25,97.25) v1(93.5,61) v1(93.5,59) v1(93.5,57) v1(93.5,55.5) v1(93.5,49.5) v1(93.5,43.5) v1(93.75,136.25) v1(93.75,0.75) v1(94,64) v1(94,47) v1(94.5,126) v1(94.5,116) v1(94.5,66) v1(94.5,59) v1(94.5,57) v1(94.5,55.5) v1(94.5,51) v1(94.5,50) v1(94.5,46) v1(94.5,45) v1(94.5,43.5) v1(94.5,21) v1(94.5,16) v1(94.5,11) v1(94.5,6) v1(94.75,136.25) v1(94.75,0.75) v1(95,63) v1(95.5,69.15) v1(95.5,68.5) v1(95.5,59) v1(95.5,57) v1(95.5,55.5) v1(95.5,49) v1(95.5,45) v1(95.5,43.5) v1(95.75,136.25) v1(95.75,0.75) v1(96,62) v1(96.5,59) v1(96.5,57) v1(96.5,55.5) v1(96.5,48) v1(96.5,45) v1(96.5,43.5) v1(96.75,136.25) v1(96.75,98.25) v1(96.75,0.75) v1(97.5,68.5) v1(97.5,67.5) v1(97.5,61) v1(97.5,59) v1(97.5,57) v1(97.5,55.5) v1(97.5,50.75) v1(97.5,49.75) v1(97.5,48.75) v1(97.5,46.5) v1(97.5,45) v1(97.5,43.5) v1(97.75,136.25) v1(97.75,0.75) v1(98.5,106.75) v1(98.5,70.5) v1(98.45,66.5) v1(98.5,61) v1(98.5,59) v1(98.5,57) v1(98.5,55.5) v1(98.45,51.75) v1(98.5,47.75) v1(98.5,46.5) v1(98.5,45) v1(98.5,43.5) v1(98.75,136.25) v1(98.75,96) v1(98.75,0.75) v1(99.5,126) v1(99.5,116) v1(99.5,86) v1(99.5,61) v1(99.5,59) v1(99.5,57) v1(99.5,55.5) v1(99.5,46.5) v1(99.5,45) v1(99.5,43.5) v1(99.5,41) v1(99.5,16) v1(99.5,11) v1(99.5,6) v1(99.75,136.25) v1(99.75,0.75) v1(100,96) v1(100.5,70.5) v1(100.55,66.5) v1(100.5,62) v1(100.5,61) v1(100.5,59) v1(100.5,57) v1(100.5,55.5) v1(100.55,51.75) v1(100.5,47.75) v1(100.5,46.5) v1(100.5,45) v1(100.5,43.5) v1(100.75,136.25) v1(100.75,0.75) v1(101.25,96) v1(101.4,62.7) v1(101.5,69.5) v1(101.5,68.5) v1(101.5,67.5) v1(101.5,59) v1(101.5,57) v1(101.5,50.75) v1(101.5,49.75) v1(101.5,48.75) v1(101.5,46.5) v1(101.5,45) v1(101.75,136.25) v1(101.75,0.75) v1(102.5,59) v1(102.5,57) v1(102.5,46.5) v1(102.5,45) v1(102.75,136.25) v1(102.75,0.75) v1(103.25,93.75) v1(103.5,61) v1(103.5,59) v1(103.5,57) v1(103.5,46.5) v1(103.5,45) v1(103.5,43) v1(103.75,136.25) v1(103.75,0.75) v1(104,69.5) v1(104,68.5) v1(104,67.5) v1(104,50.75) v1(104,49.75) v1(104,48.75) v1(104.2,62.7) v1(104.25,93.75) v1(104.5,131) v1(104.5,126) v1(104.5,116) v1(104.5,106.75) v1(104.5,91) v1(104.5,61) v1(104.5,59) v1(104.5,57) v1(104.5,55.5) v1(104.5,46.5) v1(104.5,45) v1(104.5,26) v1(104.5,16) v1(104.5,11) v1(104.5,6) v1(104.75,136.25) v1(104.75,0.75) v1(105,70.5) v1(104.95,66.5) v1(104.95,51.75) v1(105,47.75) v1(105.5,61) v1(105.5,59) v1(105.5,57) v1(105.5,55.5) v1(105.5,46.5) v1(105.5,45) v1(105.75,136.25) v1(105.75,0.75) v1(106,43.5) v1(106.5,61) v1(106.5,59) v1(106.5,57) v1(106.5,55.5) v1(106.5,46.5) v1(106.5,45) v1(106.75,136.25) v1(106.75,0.75) v1(107,70.5) v1(107.05,66.5) v1(107.05,51.75) v1(107,47.75) v1(107,43.5) v1(107.25,101.5) 